# EAGLE board RedBoard-Panel (EAGLE 9.6.2), part 5 of 6 (continued)
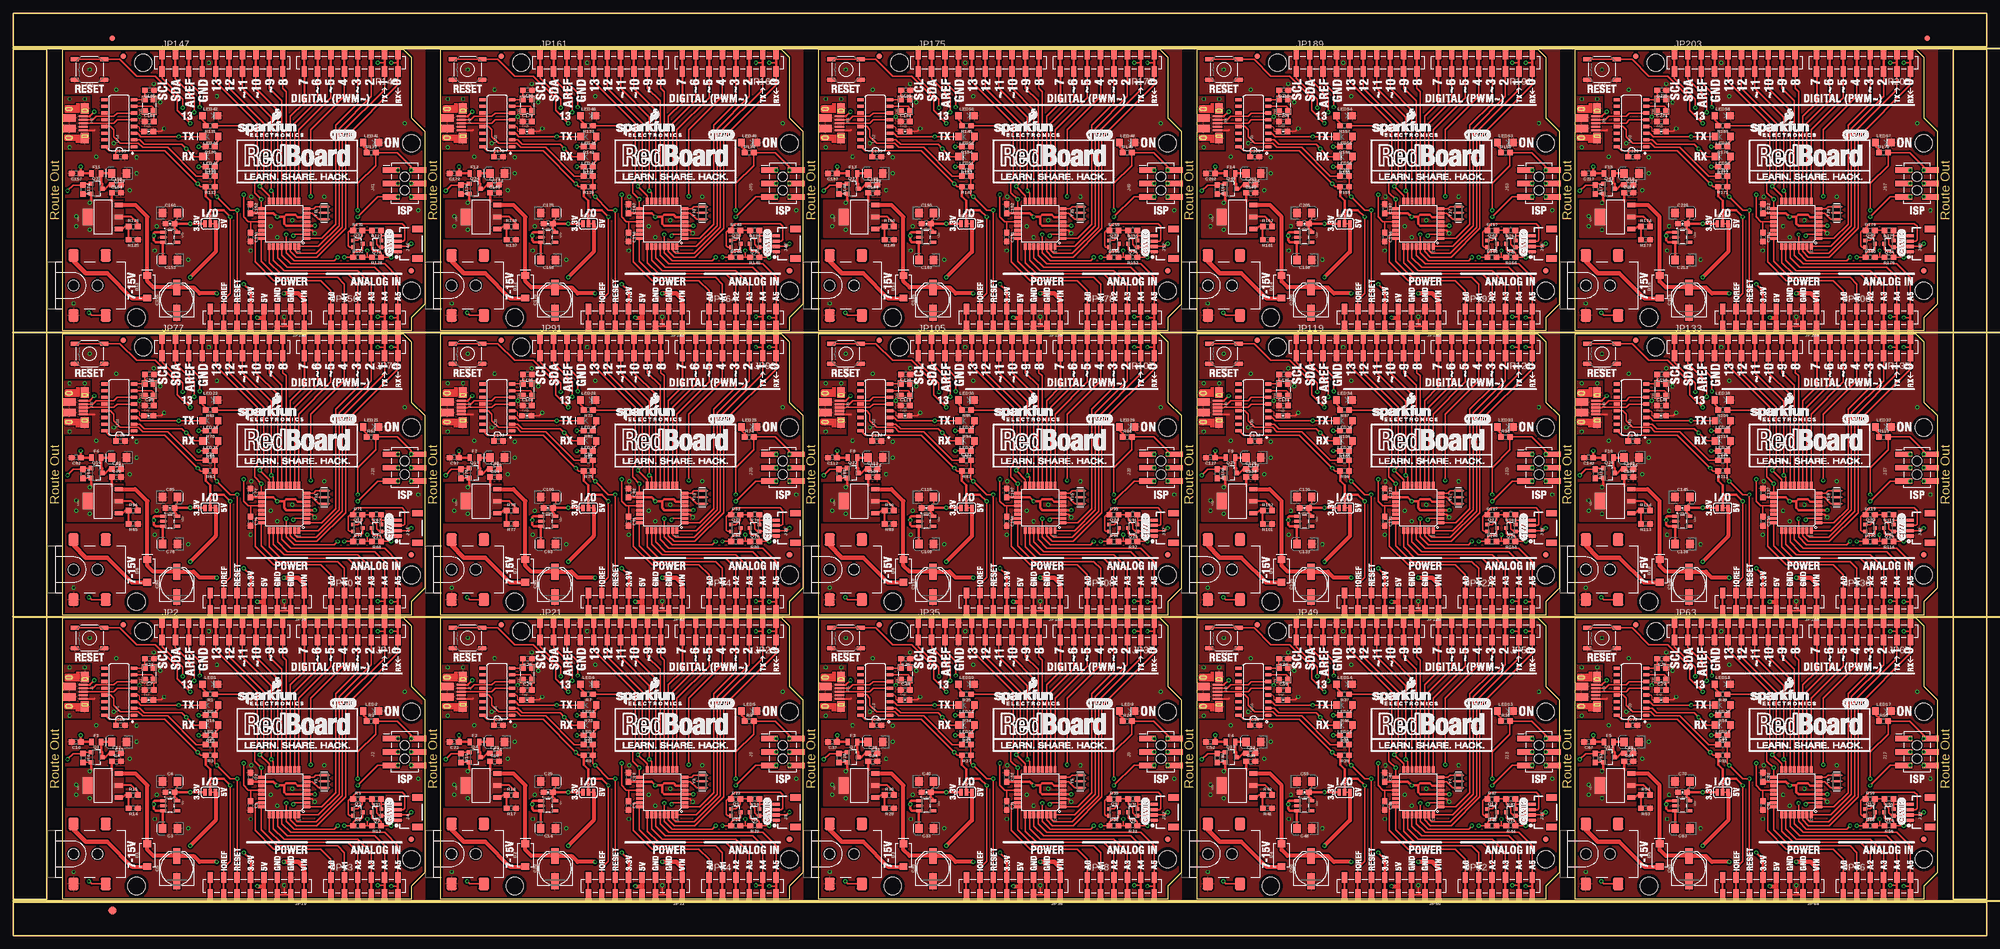
[diagram p0: board, top side]
## Tracks (layer width: path | path; a pad name or v marks a point on that pad's centre or on a via) (continued)
SCK12  (via drill 0.38, 0.38 pad 0.51)
  Top 0.254: JP175.5B JP175.5A
  Top 0.305: U50.17 v190.27,139.47 188.98,140.77 188.98,142.49 189.48,143 189.48,153.42 | J49.3 TP77.P$1 | JP175.5B 181.61,161.8 189.48,153.92 189.48,153.42 | R145.1 189.48,153.42
  Bottom 0.305: v190.27,139.47 190.27,140.61 192.15,142.49 TP77.P$1
  other vias: 216.15,142.49
SCK13  (via drill 0.38, 0.38 pad 0.51)
  Top 0.254: JP189.5B JP189.5A
  Top 0.305: U54.17 v261.9,139.47 260.6,140.77 260.6,142.49 261.11,143 261.11,153.42 | J53.3 TP83.P$1 | JP189.5B 253.24,161.8 261.11,153.92 261.11,153.42 | R157.1 261.11,153.42
  Bottom 0.305: v261.9,139.47 261.9,140.61 263.78,142.49 TP83.P$1
  other vias: 287.78,142.49
SCK14  (via drill 0.38, 0.38 pad 0.51)
  Top 0.254: JP203.5B JP203.5A
  Top 0.305: U58.17 v333.53,139.47 332.23,140.77 332.23,142.49 332.74,143 332.74,153.42 | J57.3 TP89.P$1 | JP203.5B 324.87,161.8 332.74,153.92 332.74,153.42 | R169.1 332.74,153.42
  Bottom 0.305: v333.53,139.47 333.53,140.61 335.41,142.49 TP89.P$1
  other vias: 359.41,142.49
SHLD  (via drill 0.38)
  other vias: 10.67,50.8 13.59,50.8 10.67,41.66
  pour Bottom: 9.4,51.31 14.48,51.31 14.48,41.15 9.4,41.15
  pour Top: 9.4,51.31 14.48,51.31 14.48,41.15 9.4,41.15
SHLD1  (via drill 0.38)
  other vias: 82.3,50.8 85.22,50.8 82.3,41.66
  pour Bottom: 81.03,51.31 86.11,51.31 86.11,41.15 81.03,41.15
  pour Top: 81.03,51.31 86.11,51.31 86.11,41.15 81.03,41.15
SHLD2  (via drill 0.38)
  other vias: 153.92,50.8 156.84,50.8 153.92,41.66
  pour Bottom: 152.65,51.31 157.73,51.31 157.73,41.15 152.65,41.15
  pour Top: 152.65,51.31 157.73,51.31 157.73,41.15 152.65,41.15
SHLD3  (via drill 0.38)
  other vias: 225.55,50.8 228.47,50.8 225.55,41.66
  pour Bottom: 224.28,51.31 229.36,51.31 229.36,41.15 224.28,41.15
  pour Top: 224.28,51.31 229.36,51.31 229.36,41.15 224.28,41.15
SHLD4  (via drill 0.38)
  other vias: 297.18,50.8 300.1,50.8 297.18,41.66
  pour Bottom: 295.91,51.31 300.99,51.31 300.99,41.15 295.91,41.15
  pour Top: 295.91,51.31 300.99,51.31 300.99,41.15 295.91,41.15
SHLD5  (via drill 0.38)
  other vias: 10.67,104.65 13.59,104.65 10.67,95.5
  pour Bottom: 9.4,105.16 14.48,105.16 14.48,95 9.4,95
  pour Top: 9.4,105.16 14.48,105.16 14.48,95 9.4,95
SHLD6  (via drill 0.38)
  other vias: 82.3,104.65 85.22,104.65 82.3,95.5
  pour Bottom: 81.03,105.16 86.11,105.16 86.11,95 81.03,95
  pour Top: 81.03,105.16 86.11,105.16 86.11,95 81.03,95
SHLD7  (via drill 0.38)
  other vias: 153.92,104.65 156.84,104.65 153.92,95.5
  pour Bottom: 152.65,105.16 157.73,105.16 157.73,95 152.65,95
  pour Top: 152.65,105.16 157.73,105.16 157.73,95 152.65,95
SHLD8  (via drill 0.38)
  other vias: 225.55,104.65 228.47,104.65 225.55,95.5
  pour Bottom: 224.28,105.16 229.36,105.16 229.36,95 224.28,95
  pour Top: 224.28,105.16 229.36,105.16 229.36,95 224.28,95
SHLD9  (via drill 0.38)
  other vias: 297.18,104.65 300.1,104.65 297.18,95.5
  pour Bottom: 295.91,105.16 300.99,105.16 300.99,95 295.91,95
  pour Top: 295.91,105.16 300.99,105.16 300.99,95 295.91,95
SHLD10  (via drill 0.38)
  other vias: 10.67,158.5 13.59,158.5 10.67,149.35
  pour Bottom: 9.4,159 14.48,159 14.48,148.84 9.4,148.84
  pour Top: 9.4,159 14.48,159 14.48,148.84 9.4,148.84
SHLD11  (via drill 0.38)
  other vias: 82.3,158.5 85.22,158.5 82.3,149.35
  pour Bottom: 81.03,159 86.11,159 86.11,148.84 81.03,148.84
  pour Top: 81.03,159 86.11,159 86.11,148.84 81.03,148.84
SHLD12  (via drill 0.38)
  other vias: 153.92,158.5 156.84,158.5 153.92,149.35
  pour Bottom: 152.65,159 157.73,159 157.73,148.84 152.65,148.84
  pour Top: 152.65,159 157.73,159 157.73,148.84 152.65,148.84
SHLD13  (via drill 0.38)
  other vias: 225.55,158.5 228.47,158.5 225.55,149.35
  pour Bottom: 224.28,159 229.36,159 229.36,148.84 224.28,148.84
  pour Top: 224.28,159 229.36,159 229.36,148.84 224.28,148.84
SHLD14  (via drill 0.38)
  other vias: 297.18,158.5 300.1,158.5 297.18,149.35
  pour Bottom: 295.91,159 300.99,159 300.99,148.84 295.91,148.84
  pour Top: 295.91,159 300.99,159 300.99,148.84 295.91,148.84
SS
  Top 0.254: JP2.8A JP2.8B
  Top 0.305: U4.14 50.11,48.7 45.97,52.83 JP2.8B
SS1
  Top 0.254: JP21.8A JP21.8B
  Top 0.305: U6.14 121.74,48.7 117.6,52.83 JP21.8B
SS2
  Top 0.254: JP35.8A JP35.8B
  Top 0.305: U10.14 193.36,48.7 189.23,52.83 JP35.8B
SS3
  Top 0.254: JP49.8A JP49.8B
  Top 0.305: U14.14 264.99,48.7 260.86,52.83 JP49.8B
SS4
  Top 0.254: JP63.8A JP63.8B
  Top 0.305: U18.14 336.62,48.7 332.49,52.83 JP63.8B
SS5
  Top 0.254: JP77.8A JP77.8B
  Top 0.305: U22.14 50.11,102.55 45.97,106.68 JP77.8B
SS6
  Top 0.254: JP91.8A JP91.8B
  Top 0.305: U26.14 121.74,102.55 117.6,106.68 JP91.8B
SS7
  Top 0.254: JP105.8A JP105.8B
  Top 0.305: U30.14 193.36,102.55 189.23,106.68 JP105.8B
SS8
  Top 0.254: JP119.8A JP119.8B
  Top 0.305: U34.14 264.99,102.55 260.86,106.68 JP119.8B
SS9
  Top 0.254: JP133.8A JP133.8B
  Top 0.305: U38.14 336.62,102.55 332.49,106.68 JP133.8B
SS10
  Top 0.254: JP147.8A JP147.8B
  Top 0.305: U42.14 50.11,156.39 45.97,160.53 JP147.8B
SS11
  Top 0.254: JP161.8A JP161.8B
  Top 0.305: U46.14 121.74,156.39 117.6,160.53 JP161.8B
SS12
  Top 0.254: JP175.8A JP175.8B
  Top 0.305: U50.14 193.36,156.39 189.23,160.53 JP175.8B
SS13
  Top 0.254: JP189.8A JP189.8B
  Top 0.305: U54.14 264.99,156.39 260.86,160.53 JP189.8B
SS14
  Top 0.254: JP203.8A JP203.8B
  Top 0.305: U58.14 336.62,156.39 332.49,160.53 JP203.8B
TX-O  (via drill 0.38)
  Top 0.254: JP11.2A JP11.2B
  Top 0.305: U4.31 53.31,22.13 53.85,21.59 57.4,21.59 62.36,26.54 62.36,44.58 70.36,52.58 JP11.2B | v69.09,57.66 70.36,57.66 JP11.2A | LED4.C v31.34,43.69 24.19,43.69 23.55,44.32 U1.3
  Bottom 0.305: v69.09,57.66 67.82,56.39 33.53,56.39 29.72,52.58 29.72,46.23 31.34,44.6 v31.34,43.69
TX-O1  (via drill 0.38)
  Top 0.254: JP23.2A JP23.2B
  Top 0.305: U6.31 124.94,22.13 125.48,21.59 129.03,21.59 133.99,26.54 133.99,44.58 141.99,52.58 JP23.2B | v140.72,57.66 141.99,57.66 JP23.2A | LED8.C v102.97,43.69 95.81,43.69 95.18,44.32 U8.3
  Bottom 0.305: v140.72,57.66 139.45,56.39 105.16,56.39 101.35,52.58 101.35,46.23 102.97,44.6 v102.97,43.69
TX-O2  (via drill 0.38)
  Top 0.254: JP37.2A JP37.2B
  Top 0.305: U10.31 196.56,22.13 197.1,21.59 200.66,21.59 205.61,26.54 205.61,44.58 213.61,52.58 JP37.2B | v212.34,57.66 213.61,57.66 JP37.2A | LED12.C v174.6,43.69 167.44,43.69 166.81,44.32 U12.3
  Bottom 0.305: v212.34,57.66 211.07,56.39 176.78,56.39 172.97,52.58 172.97,46.23 174.6,44.6 v174.6,43.69
TX-O3  (via drill 0.38)
  Top 0.254: JP51.2A JP51.2B
  Top 0.305: U14.31 268.19,22.13 268.73,21.59 272.29,21.59 277.24,26.54 277.24,44.58 285.24,52.58 JP51.2B | v283.97,57.66 285.24,57.66 JP51.2A | LED16.C v246.23,43.69 239.07,43.69 238.44,44.32 U16.3
  Bottom 0.305: v283.97,57.66 282.7,56.39 248.41,56.39 244.6,52.58 244.6,46.23 246.23,44.6 v246.23,43.69
TX-O4  (via drill 0.38)
  Top 0.254: JP65.2A JP65.2B
  Top 0.305: U18.31 339.82,22.13 340.36,21.59 343.92,21.59 348.87,26.54 348.87,44.58 356.87,52.58 JP65.2B | v355.6,57.66 356.87,57.66 JP65.2A | LED20.C v317.86,43.69 310.7,43.69 310.06,44.32 U20.3
  Bottom 0.305: v355.6,57.66 354.33,56.39 320.04,56.39 316.23,52.58 316.23,46.23 317.86,44.6 v317.86,43.69
TX-O5  (via drill 0.38)
  Top 0.254: JP79.2A JP79.2B
  Top 0.305: U22.31 53.31,75.98 53.85,75.44 57.4,75.44 62.36,80.39 62.36,98.42 70.36,106.43 JP79.2B | v69.09,111.51 70.36,111.51 JP79.2A | LED24.C v31.34,97.54 24.19,97.54 23.55,98.17 U24.3
  Bottom 0.305: v69.09,111.51 67.82,110.24 33.53,110.24 29.72,106.43 29.72,100.08 31.34,98.45 v31.34,97.54
TX-O6  (via drill 0.38)
  Top 0.254: JP93.2A JP93.2B
  Top 0.305: U26.31 124.94,75.98 125.48,75.44 129.03,75.44 133.99,80.39 133.99,98.42 141.99,106.43 JP93.2B | v140.72,111.51 141.99,111.51 JP93.2A | LED28.C v102.97,97.54 95.81,97.54 95.18,98.17 U28.3
  Bottom 0.305: v140.72,111.51 139.45,110.24 105.16,110.24 101.35,106.43 101.35,100.08 102.97,98.45 v102.97,97.54
TX-O7  (via drill 0.38)
  Top 0.254: JP107.2A JP107.2B
  Top 0.305: U30.31 196.56,75.98 197.1,75.44 200.66,75.44 205.61,80.39 205.61,98.42 213.61,106.43 JP107.2B | v212.34,111.51 213.61,111.51 JP107.2A | LED32.C v174.6,97.54 167.44,97.54 166.81,98.17 U32.3
  Bottom 0.305: v212.34,111.51 211.07,110.24 176.78,110.24 172.97,106.43 172.97,100.08 174.6,98.45 v174.6,97.54
TX-O8  (via drill 0.38)
  Top 0.254: JP121.2A JP121.2B
  Top 0.305: U34.31 268.19,75.98 268.73,75.44 272.29,75.44 277.24,80.39 277.24,98.42 285.24,106.43 JP121.2B | v283.97,111.51 285.24,111.51 JP121.2A | LED36.C v246.23,97.54 239.07,97.54 238.44,98.17 U36.3
  Bottom 0.305: v283.97,111.51 282.7,110.24 248.41,110.24 244.6,106.43 244.6,100.08 246.23,98.45 v246.23,97.54
TX-O9  (via drill 0.38)
  Top 0.254: JP135.2A JP135.2B
  Top 0.305: U38.31 339.82,75.98 340.36,75.44 343.92,75.44 348.87,80.39 348.87,98.42 356.87,106.43 JP135.2B | v355.6,111.51 356.87,111.51 JP135.2A | LED40.C v317.86,97.54 310.7,97.54 310.06,98.17 U40.3
  Bottom 0.305: v355.6,111.51 354.33,110.24 320.04,110.24 316.23,106.43 316.23,100.08 317.86,98.45 v317.86,97.54
TX-O10  (via drill 0.38)
  Top 0.254: JP149.2A JP149.2B
  Top 0.305: U42.31 53.31,129.83 53.85,129.29 57.4,129.29 62.36,134.24 62.36,152.27 70.36,160.27 JP149.2B | v69.09,165.35 70.36,165.35 JP149.2A | LED44.C v31.34,151.38 24.19,151.38 23.55,152.02 U44.3
  Bottom 0.305: v69.09,165.35 67.82,164.08 33.53,164.08 29.72,160.27 29.72,153.92 31.34,152.3 v31.34,151.38
TX-O11  (via drill 0.38)
  Top 0.254: JP163.2A JP163.2B
  Top 0.305: U46.31 124.94,129.83 125.48,129.29 129.03,129.29 133.99,134.24 133.99,152.27 141.99,160.27 JP163.2B | v140.72,165.35 141.99,165.35 JP163.2A | LED48.C v102.97,151.38 95.81,151.38 95.18,152.02 U48.3
  Bottom 0.305: v140.72,165.35 139.45,164.08 105.16,164.08 101.35,160.27 101.35,153.92 102.97,152.3 v102.97,151.38
TX-O12  (via drill 0.38)
  Top 0.254: JP177.2A JP177.2B
  Top 0.305: U50.31 196.56,129.83 197.1,129.29 200.66,129.29 205.61,134.24 205.61,152.27 213.61,160.27 JP177.2B | v212.34,165.35 213.61,165.35 JP177.2A | LED52.C v174.6,151.38 167.44,151.38 166.81,152.02 U52.3
  Bottom 0.305: v212.34,165.35 211.07,164.08 176.78,164.08 172.97,160.27 172.97,153.92 174.6,152.3 v174.6,151.38
TX-O13  (via drill 0.38)
  Top 0.254: JP191.2A JP191.2B
  Top 0.305: U54.31 268.19,129.83 268.73,129.29 272.29,129.29 277.24,134.24 277.24,152.27 285.24,160.27 JP191.2B | v283.97,165.35 285.24,165.35 JP191.2A | LED56.C v246.23,151.38 239.07,151.38 238.44,152.02 U56.3
  Bottom 0.305: v283.97,165.35 282.7,164.08 248.41,164.08 244.6,160.27 244.6,153.92 246.23,152.3 v246.23,151.38
TX-O14  (via drill 0.38)
  Top 0.254: JP205.2A JP205.2B
  Top 0.305: U58.31 339.82,129.83 340.36,129.29 343.92,129.29 348.87,134.24 348.87,152.27 356.87,160.27 JP205.2B | v355.6,165.35 356.87,165.35 JP205.2A | LED60.C v317.86,151.38 310.7,151.38 310.06,152.02 U60.3
  Bottom 0.305: v355.6,165.35 354.33,164.08 320.04,164.08 316.23,160.27 316.23,153.92 317.86,152.3 v317.86,151.38
USBVCC
  Top 0.508: C15.+ F1.2 16.65,34.91 16.85,34.71 Q1.3 17.4,33.78 18.16,34.54 C12.1
USBVCC1
  Top 0.508: C24.+ F2.2 88.28,34.91 88.48,34.71 Q4.3 89.03,33.78 89.79,34.54 C23.1
USBVCC2
  Top 0.508: C39.+ F3.2 159.9,34.91 160.1,34.71 Q7.3 160.66,33.78 161.42,34.54 C38.1
USBVCC3
  Top 0.508: C54.+ F4.2 231.53,34.91 231.73,34.71 Q10.3 232.28,33.78 233.04,34.54 C53.1
USBVCC4
  Top 0.508: C69.+ F5.2 303.16,34.91 303.36,34.71 Q13.3 303.91,33.78 304.67,34.54 C68.1
USBVCC5
  Top 0.508: C84.+ F6.2 16.65,88.76 16.85,88.56 Q16.3 17.4,87.63 18.16,88.39 C83.1
USBVCC6
  Top 0.508: C99.+ F7.2 88.28,88.76 88.48,88.56 Q19.3 89.03,87.63 89.79,88.39 C98.1
USBVCC7
  Top 0.508: C114.+ F8.2 159.9,88.76 160.1,88.56 Q22.3 160.66,87.63 161.42,88.39 C113.1
USBVCC8
  Top 0.508: C129.+ F9.2 231.53,88.76 231.73,88.56 Q25.3 232.28,87.63 233.04,88.39 C128.1
USBVCC9
  Top 0.508: C144.+ F10.2 303.16,88.76 303.36,88.56 Q28.3 303.91,87.63 304.67,88.39 C143.1
USBVCC10
  Top 0.508: C159.+ F11.2 16.65,142.61 16.85,142.41 Q31.3 17.4,141.48 18.16,142.24 C158.1
USBVCC11
  Top 0.508: C174.+ F12.2 88.28,142.61 88.48,142.41 Q34.3 89.03,141.48 89.79,142.24 C173.1
USBVCC12
  Top 0.508: C189.+ F13.2 159.9,142.61 160.1,142.41 Q37.3 160.66,141.48 161.42,142.24 C188.1
USBVCC13
  Top 0.508: C204.+ F14.2 231.53,142.61 231.73,142.41 Q40.3 232.28,141.48 233.04,142.24 C203.1
USBVCC14
  Top 0.508: C219.+ F15.2 303.16,142.61 303.36,142.41 Q43.3 303.91,141.48 304.67,142.24 C218.1
VCC  (via drill 0.38)
  Top 0.254: v41.15,28.45 41.15,17.02 41.15,14.05 39.88,12.78 JP10.7
  Top 0.305: v65.28,29.72 65.28,34.8 68.67,38.19 R2.2 72.77,40.64 75.44,37.97 TP1.P$1 J2.2 | R3.2 35.56,34.16 v34.99,34.73 28.74,40.98 19.47,40.98 | R6.2 67.06,20.83 | 67.06,20.83 R13.2 | v67.06,22.1 67.06,20.83 | C18.1 19.47,40.98 | R12.2 v35.18,37.97 | R16.2 v35.18,41.78 | U1.16 17.4,41.78 18.2,40.98 19.47,40.98
  Top 0.508: U4.6 53.92,28.38 53.47,28.83 51.69,28.83 51.31,28.45 | C2.2 U4.18 49.31,29.18 v50.04,28.45 51.31,28.45 | v57.17,26.78 U4.4 51.71,26.78 51.31,27.18 51.31,28.45 | v41.15,28.45 39.88,29.72 37.34,29.72 | I/O.2 37.34,29.72 | R3.2 36.49,32.35 37.34,31.5 37.34,29.72
  Bottom 0.305: v57.17,26.78 62.34,26.78 v65.28,29.72 66.55,29.72 67.06,29.21 v67.06,22.1 | v35.18,41.78 v35.18,37.97 35.18,34.92 v34.99,34.73
  Bottom 0.508: v50.04,28.45 v41.15,28.45
  other vias: 75.44,37.34
VCC1  (via drill 0.38)
  Top 0.254: v112.78,28.45 112.78,17.02 112.78,14.05 111.51,12.78 JP22.7
  Top 0.305: v136.91,29.72 136.91,34.8 140.3,38.19 R8.2 144.4,40.64 147.07,37.97 TP7.P$1 J5.2 | R9.2 107.19,34.16 v106.62,34.73 100.37,40.98 91.1,40.98 | R24.2 138.68,20.83 | 138.68,20.83 R20.2 | v138.68,22.1 138.68,20.83 | C28.1 91.1,40.98 | R21.2 v106.81,37.97 | R22.2 v106.81,41.78 | U8.16 89.03,41.78 89.83,40.98 91.1,40.98
  Top 0.508: U6.6 125.55,28.38 125.09,28.83 123.32,28.83 122.94,28.45 | C13.2 U6.18 120.94,29.18 v121.67,28.45 122.94,28.45 | v128.8,26.78 U6.4 123.34,26.78 122.94,27.18 122.94,28.45 | v112.78,28.45 111.51,29.72 108.97,29.72 | I/O1.2 108.97,29.72 | R9.2 108.12,32.35 108.97,31.5 108.97,29.72
  Bottom 0.305: v128.8,26.78 133.97,26.78 v136.91,29.72 138.18,29.72 138.68,29.21 v138.68,22.1 | v106.81,41.78 v106.81,37.97 106.81,34.92 v106.62,34.73
  Bottom 0.508: v121.67,28.45 v112.78,28.45
  other vias: 147.07,37.34
VCC2  (via drill 0.38)
  Top 0.254: v184.4,28.45 184.4,17.02 184.4,14.05 183.13,12.78 JP36.7
  Top 0.305: v208.53,29.72 208.53,34.8 211.92,38.19 R26.2 216.03,40.64 218.69,37.97 TP13.P$1 J9.2 | R27.2 178.82,34.16 v178.24,34.73 172,40.98 162.73,40.98 | R36.2 210.31,20.83 | 210.31,20.83 R32.2 | v210.31,22.1 210.31,20.83 | C43.1 162.73,40.98 | R33.2 v178.44,37.97 | R34.2 v178.44,41.78 | U12.16 160.66,41.78 161.46,40.98 162.73,40.98
  Top 0.508: U10.6 197.17,28.38 196.72,28.83 194.94,28.83 194.56,28.45 | C32.2 U10.18 192.56,29.18 v193.29,28.45 194.56,28.45 | v200.42,26.78 U10.4 194.96,26.78 194.56,27.18 194.56,28.45 | v184.4,28.45 183.13,29.72 180.59,29.72 | I/O2.2 180.59,29.72 | R27.2 179.74,32.35 180.59,31.5 180.59,29.72
  Bottom 0.305: v200.42,26.78 205.59,26.78 v208.53,29.72 209.8,29.72 210.31,29.21 v210.31,22.1 | v178.44,41.78 v178.44,37.97 178.44,34.92 v178.24,34.73
  Bottom 0.508: v193.29,28.45 v184.4,28.45
  other vias: 218.69,37.34
VCC3  (via drill 0.38)
  Top 0.254: v256.03,28.45 256.03,17.02 256.03,14.05 254.76,12.78 JP50.7
  Top 0.305: v280.16,29.72 280.16,34.8 283.55,38.19 R38.2 287.66,40.64 290.32,37.97 TP19.P$1 J13.2 | R39.2 250.44,34.16 v249.87,34.73 243.62,40.98 234.35,40.98 | R48.2 281.94,20.83 | 281.94,20.83 R44.2 | v281.94,22.1 281.94,20.83 | C58.1 234.35,40.98 | R45.2 v250.06,37.97 | R46.2 v250.06,41.78 | U16.16 232.28,41.78 233.08,40.98 234.35,40.98
  Top 0.508: U14.6 268.8,28.38 268.35,28.83 266.57,28.83 266.19,28.45 | C47.2 U14.18 264.19,29.18 v264.92,28.45 266.19,28.45 | v272.05,26.78 U14.4 266.59,26.78 266.19,27.18 266.19,28.45 | v256.03,28.45 254.76,29.72 252.22,29.72 | I/O3.2 252.22,29.72 | R39.2 251.37,32.35 252.22,31.5 252.22,29.72
  Bottom 0.305: v272.05,26.78 277.22,26.78 v280.16,29.72 281.43,29.72 281.94,29.21 v281.94,22.1 | v250.06,41.78 v250.06,37.97 250.06,34.92 v249.87,34.73
  Bottom 0.508: v264.92,28.45 v256.03,28.45
  other vias: 290.32,37.34
VCC4  (via drill 0.38)
  Top 0.254: v327.66,28.45 327.66,17.02 327.66,14.05 326.39,12.78 JP64.7
  Top 0.305: v351.79,29.72 351.79,34.8 355.18,38.19 R50.2 359.28,40.64 361.95,37.97 TP25.P$1 J17.2 | R51.2 322.07,34.16 v321.5,34.73 315.25,40.98 305.98,40.98 | R60.2 353.57,20.83 | 353.57,20.83 R56.2 | v353.57,22.1 353.57,20.83 | C73.1 305.98,40.98 | R57.2 v321.69,37.97 | R58.2 v321.69,41.78 | U20.16 303.91,41.78 304.71,40.98 305.98,40.98
  Top 0.508: U18.6 340.43,28.38 339.98,28.83 338.2,28.83 337.82,28.45 | C62.2 U18.18 335.82,29.18 v336.55,28.45 337.82,28.45 | v343.68,26.78 U18.4 338.22,26.78 337.82,27.18 337.82,28.45 | v327.66,28.45 326.39,29.72 323.85,29.72 | I/O4.2 323.85,29.72 | R51.2 323,32.35 323.85,31.5 323.85,29.72
  Bottom 0.305: v343.68,26.78 348.85,26.78 v351.79,29.72 353.06,29.72 353.57,29.21 v353.57,22.1 | v321.69,41.78 v321.69,37.97 321.69,34.92 v321.5,34.73
  Bottom 0.508: v336.55,28.45 v327.66,28.45
  other vias: 361.95,37.34
VCC5  (via drill 0.38)
  Top 0.254: v41.15,82.3 41.15,70.87 41.15,67.89 39.88,66.62 JP78.7
  Top 0.305: v65.28,83.57 65.28,88.65 68.67,92.04 R62.2 72.77,94.49 75.44,91.82 TP31.P$1 J21.2 | R63.2 35.56,88.01 v34.99,88.58 28.74,94.83 19.47,94.83 | R72.2 67.06,74.68 | 67.06,74.68 R68.2 | v67.06,75.95 67.06,74.68 | C88.1 19.47,94.83 | R69.2 v35.18,91.82 | R70.2 v35.18,95.63 | U24.16 17.4,95.63 18.2,94.83 19.47,94.83
  Top 0.508: U22.6 53.92,82.23 53.47,82.68 51.69,82.68 51.31,82.3 | C77.2 U22.18 49.31,83.03 v50.04,82.3 51.31,82.3 | v57.17,80.63 U22.4 51.71,80.63 51.31,81.03 51.31,82.3 | v41.15,82.3 39.88,83.57 37.34,83.57 | I/O5.2 37.34,83.57 | R63.2 36.49,86.19 37.34,85.34 37.34,83.57
  Bottom 0.305: v57.17,80.63 62.34,80.63 v65.28,83.57 66.55,83.57 67.06,83.06 v67.06,75.95 | v35.18,95.63 v35.18,91.82 35.18,88.77 v34.99,88.58
  Bottom 0.508: v50.04,82.3 v41.15,82.3
  other vias: 75.44,91.19
VCC6  (via drill 0.38)
  Top 0.254: v112.78,82.3 112.78,70.87 112.78,67.89 111.51,66.62 JP92.7
  Top 0.305: v136.91,83.57 136.91,88.65 140.3,92.04 R74.2 144.4,94.49 147.07,91.82 TP37.P$1 J25.2 | R75.2 107.19,88.01 v106.62,88.58 100.37,94.83 91.1,94.83 | R84.2 138.68,74.68 | 138.68,74.68 R80.2 | v138.68,75.95 138.68,74.68 | C103.1 91.1,94.83 | R81.2 v106.81,91.82 | R82.2 v106.81,95.63 | U28.16 89.03,95.63 89.83,94.83 91.1,94.83
  Top 0.508: U26.6 125.55,82.23 125.09,82.68 123.32,82.68 122.94,82.3 | C92.2 U26.18 120.94,83.03 v121.67,82.3 122.94,82.3 | v128.8,80.63 U26.4 123.34,80.63 122.94,81.03 122.94,82.3 | v112.78,82.3 111.51,83.57 108.97,83.57 | I/O6.2 108.97,83.57 | R75.2 108.12,86.19 108.97,85.34 108.97,83.57
  Bottom 0.305: v128.8,80.63 133.97,80.63 v136.91,83.57 138.18,83.57 138.68,83.06 v138.68,75.95 | v106.81,95.63 v106.81,91.82 106.81,88.77 v106.62,88.58
  Bottom 0.508: v121.67,82.3 v112.78,82.3
  other vias: 147.07,91.19
VCC7  (via drill 0.38)
  Top 0.254: v184.4,82.3 184.4,70.87 184.4,67.89 183.13,66.62 JP106.7
  Top 0.305: v208.53,83.57 208.53,88.65 211.92,92.04 R86.2 216.03,94.49 218.69,91.82 TP43.P$1 J29.2 | R87.2 178.82,88.01 v178.24,88.58 172,94.83 162.73,94.83 | R96.2 210.31,74.68 | 210.31,74.68 R92.2 | v210.31,75.95 210.31,74.68 | C118.1 162.73,94.83 | R93.2 v178.44,91.82 | R94.2 v178.44,95.63 | U32.16 160.66,95.63 161.46,94.83 162.73,94.83
  Top 0.508: U30.6 197.17,82.23 196.72,82.68 194.94,82.68 194.56,82.3 | C107.2 U30.18 192.56,83.03 v193.29,82.3 194.56,82.3 | v200.42,80.63 U30.4 194.96,80.63 194.56,81.03 194.56,82.3 | v184.4,82.3 183.13,83.57 180.59,83.57 | I/O7.2 180.59,83.57 | R87.2 179.74,86.19 180.59,85.34 180.59,83.57
  Bottom 0.305: v200.42,80.63 205.59,80.63 v208.53,83.57 209.8,83.57 210.31,83.06 v210.31,75.95 | v178.44,95.63 v178.44,91.82 178.44,88.77 v178.24,88.58
  Bottom 0.508: v193.29,82.3 v184.4,82.3
  other vias: 218.69,91.19
VCC8  (via drill 0.38)
  Top 0.254: v256.03,82.3 256.03,70.87 256.03,67.89 254.76,66.62 JP120.7
  Top 0.305: v280.16,83.57 280.16,88.65 283.55,92.04 R98.2 287.66,94.49 290.32,91.82 TP49.P$1 J33.2 | R99.2 250.44,88.01 v249.87,88.58 243.62,94.83 234.35,94.83 | R108.2 281.94,74.68 | 281.94,74.68 R104.2 | v281.94,75.95 281.94,74.68 | C133.1 234.35,94.83 | R105.2 v250.06,91.82 | R106.2 v250.06,95.63 | U36.16 232.28,95.63 233.08,94.83 234.35,94.83
  Top 0.508: U34.6 268.8,82.23 268.35,82.68 266.57,82.68 266.19,82.3 | C122.2 U34.18 264.19,83.03 v264.92,82.3 266.19,82.3 | v272.05,80.63 U34.4 266.59,80.63 266.19,81.03 266.19,82.3 | v256.03,82.3 254.76,83.57 252.22,83.57 | I/O8.2 252.22,83.57 | R99.2 251.37,86.19 252.22,85.34 252.22,83.57
  Bottom 0.305: v272.05,80.63 277.22,80.63 v280.16,83.57 281.43,83.57 281.94,83.06 v281.94,75.95 | v250.06,95.63 v250.06,91.82 250.06,88.77 v249.87,88.58
  Bottom 0.508: v264.92,82.3 v256.03,82.3
  other vias: 290.32,91.19
VCC9  (via drill 0.38)
  Top 0.254: v327.66,82.3 327.66,70.87 327.66,67.89 326.39,66.62 JP134.7
  Top 0.305: v351.79,83.57 351.79,88.65 355.18,92.04 R110.2 359.28,94.49 361.95,91.82 TP55.P$1 J37.2 | R111.2 322.07,88.01 v321.5,88.58 315.25,94.83 305.98,94.83 | R120.2 353.57,74.68 | 353.57,74.68 R116.2 | v353.57,75.95 353.57,74.68 | C148.1 305.98,94.83 | R117.2 v321.69,91.82 | R118.2 v321.69,95.63 | U40.16 303.91,95.63 304.71,94.83 305.98,94.83
  Top 0.508: U38.6 340.43,82.23 339.98,82.68 338.2,82.68 337.82,82.3 | C137.2 U38.18 335.82,83.03 v336.55,82.3 337.82,82.3 | v343.68,80.63 U38.4 338.22,80.63 337.82,81.03 337.82,82.3 | v327.66,82.3 326.39,83.57 323.85,83.57 | I/O9.2 323.85,83.57 | R111.2 323,86.19 323.85,85.34 323.85,83.57
  Bottom 0.305: v343.68,80.63 348.85,80.63 v351.79,83.57 353.06,83.57 353.57,83.06 v353.57,75.95 | v321.69,95.63 v321.69,91.82 321.69,88.77 v321.5,88.58
  Bottom 0.508: v336.55,82.3 v327.66,82.3
  other vias: 361.95,91.19
VCC10  (via drill 0.38)
  Top 0.254: v41.15,136.14 41.15,124.71 41.15,121.74 39.88,120.47 JP148.7
  Top 0.305: v65.28,137.41 65.28,142.49 68.67,145.88 R122.2 72.77,148.34 75.44,145.67 TP61.P$1 J41.2 | R123.2 35.56,141.86 v34.99,142.43 28.74,148.68 19.47,148.68 | R132.2 67.06,128.52 | 67.06,128.52 R128.2 | v67.06,129.79 67.06,128.52 | C163.1 19.47,148.68 | R129.2 v35.18,145.67 | R130.2 v35.18,149.48 | U44.16 17.4,149.48 18.2,148.68 19.47,148.68
  Top 0.508: U42.6 53.92,136.07 53.47,136.53 51.69,136.53 51.31,136.14 | C152.2 U42.18 49.31,136.87 v50.04,136.14 51.31,136.14 | v57.17,134.47 U42.4 51.71,134.47 51.31,134.87 51.31,136.14 | v41.15,136.14 39.88,137.41 37.34,137.41 | I/O10.2 37.34,137.41 | R123.2 36.49,140.04 37.34,139.19 37.34,137.41
  Bottom 0.305: v57.17,134.47 62.34,134.47 v65.28,137.41 66.55,137.41 67.06,136.91 v67.06,129.79 | v35.18,149.48 v35.18,145.67 35.18,142.62 v34.99,142.43
  Bottom 0.508: v50.04,136.14 v41.15,136.14
  other vias: 75.44,145.03
VCC11  (via drill 0.38)
  Top 0.254: v112.78,136.14 112.78,124.71 112.78,121.74 111.51,120.47 JP162.7
  Top 0.305: v136.91,137.41 136.91,142.49 140.3,145.88 R134.2 144.4,148.34 147.07,145.67 TP67.P$1 J45.2 | R135.2 107.19,141.86 v106.62,142.43 100.37,148.68 91.1,148.68 | R144.2 138.68,128.52 | 138.68,128.52 R140.2 | v138.68,129.79 138.68,128.52 | C178.1 91.1,148.68 | R141.2 v106.81,145.67 | R142.2 v106.81,149.48 | U48.16 89.03,149.48 89.83,148.68 91.1,148.68
  Top 0.508: U46.6 125.55,136.07 125.09,136.53 123.32,136.53 122.94,136.14 | C167.2 U46.18 120.94,136.87 v121.67,136.14 122.94,136.14 | v128.8,134.47 U46.4 123.34,134.47 122.94,134.87 122.94,136.14 | v112.78,136.14 111.51,137.41 108.97,137.41 | I/O11.2 108.97,137.41 | R135.2 108.12,140.04 108.97,139.19 108.97,137.41
  Bottom 0.305: v128.8,134.47 133.97,134.47 v136.91,137.41 138.18,137.41 138.68,136.91 v138.68,129.79 | v106.81,149.48 v106.81,145.67 106.81,142.62 v106.62,142.43
  Bottom 0.508: v121.67,136.14 v112.78,136.14
  other vias: 147.07,145.03
VCC12  (via drill 0.38)
  Top 0.254: v184.4,136.14 184.4,124.71 184.4,121.74 183.13,120.47 JP176.7
  Top 0.305: v208.53,137.41 208.53,142.49 211.92,145.88 R146.2 216.03,148.34 218.69,145.67 TP73.P$1 J49.2 | R147.2 178.82,141.86 v178.24,142.43 172,148.68 162.73,148.68 | R156.2 210.31,128.52 | 210.31,128.52 R152.2 | v210.31,129.79 210.31,128.52 | C193.1 162.73,148.68 | R153.2 v178.44,145.67 | R154.2 v178.44,149.48 | U52.16 160.66,149.48 161.46,148.68 162.73,148.68
  Top 0.508: U50.6 197.17,136.07 196.72,136.53 194.94,136.53 194.56,136.14 | C182.2 U50.18 192.56,136.87 v193.29,136.14 194.56,136.14 | v200.42,134.47 U50.4 194.96,134.47 194.56,134.87 194.56,136.14 | v184.4,136.14 183.13,137.41 180.59,137.41 | I/O12.2 180.59,137.41 | R147.2 179.74,140.04 180.59,139.19 180.59,137.41
  Bottom 0.305: v200.42,134.47 205.59,134.47 v208.53,137.41 209.8,137.41 210.31,136.91 v210.31,129.79 | v178.44,149.48 v178.44,145.67 178.44,142.62 v178.24,142.43
  Bottom 0.508: v193.29,136.14 v184.4,136.14
  other vias: 218.69,145.03
VCC13  (via drill 0.38)
  Top 0.254: v256.03,136.14 256.03,124.71 256.03,121.74 254.76,120.47 JP190.7